# Allegro board RK_NVR_DEMO_RK3568_DDR4P216SD4_V12_20201221YWQ_final.brd (continued)
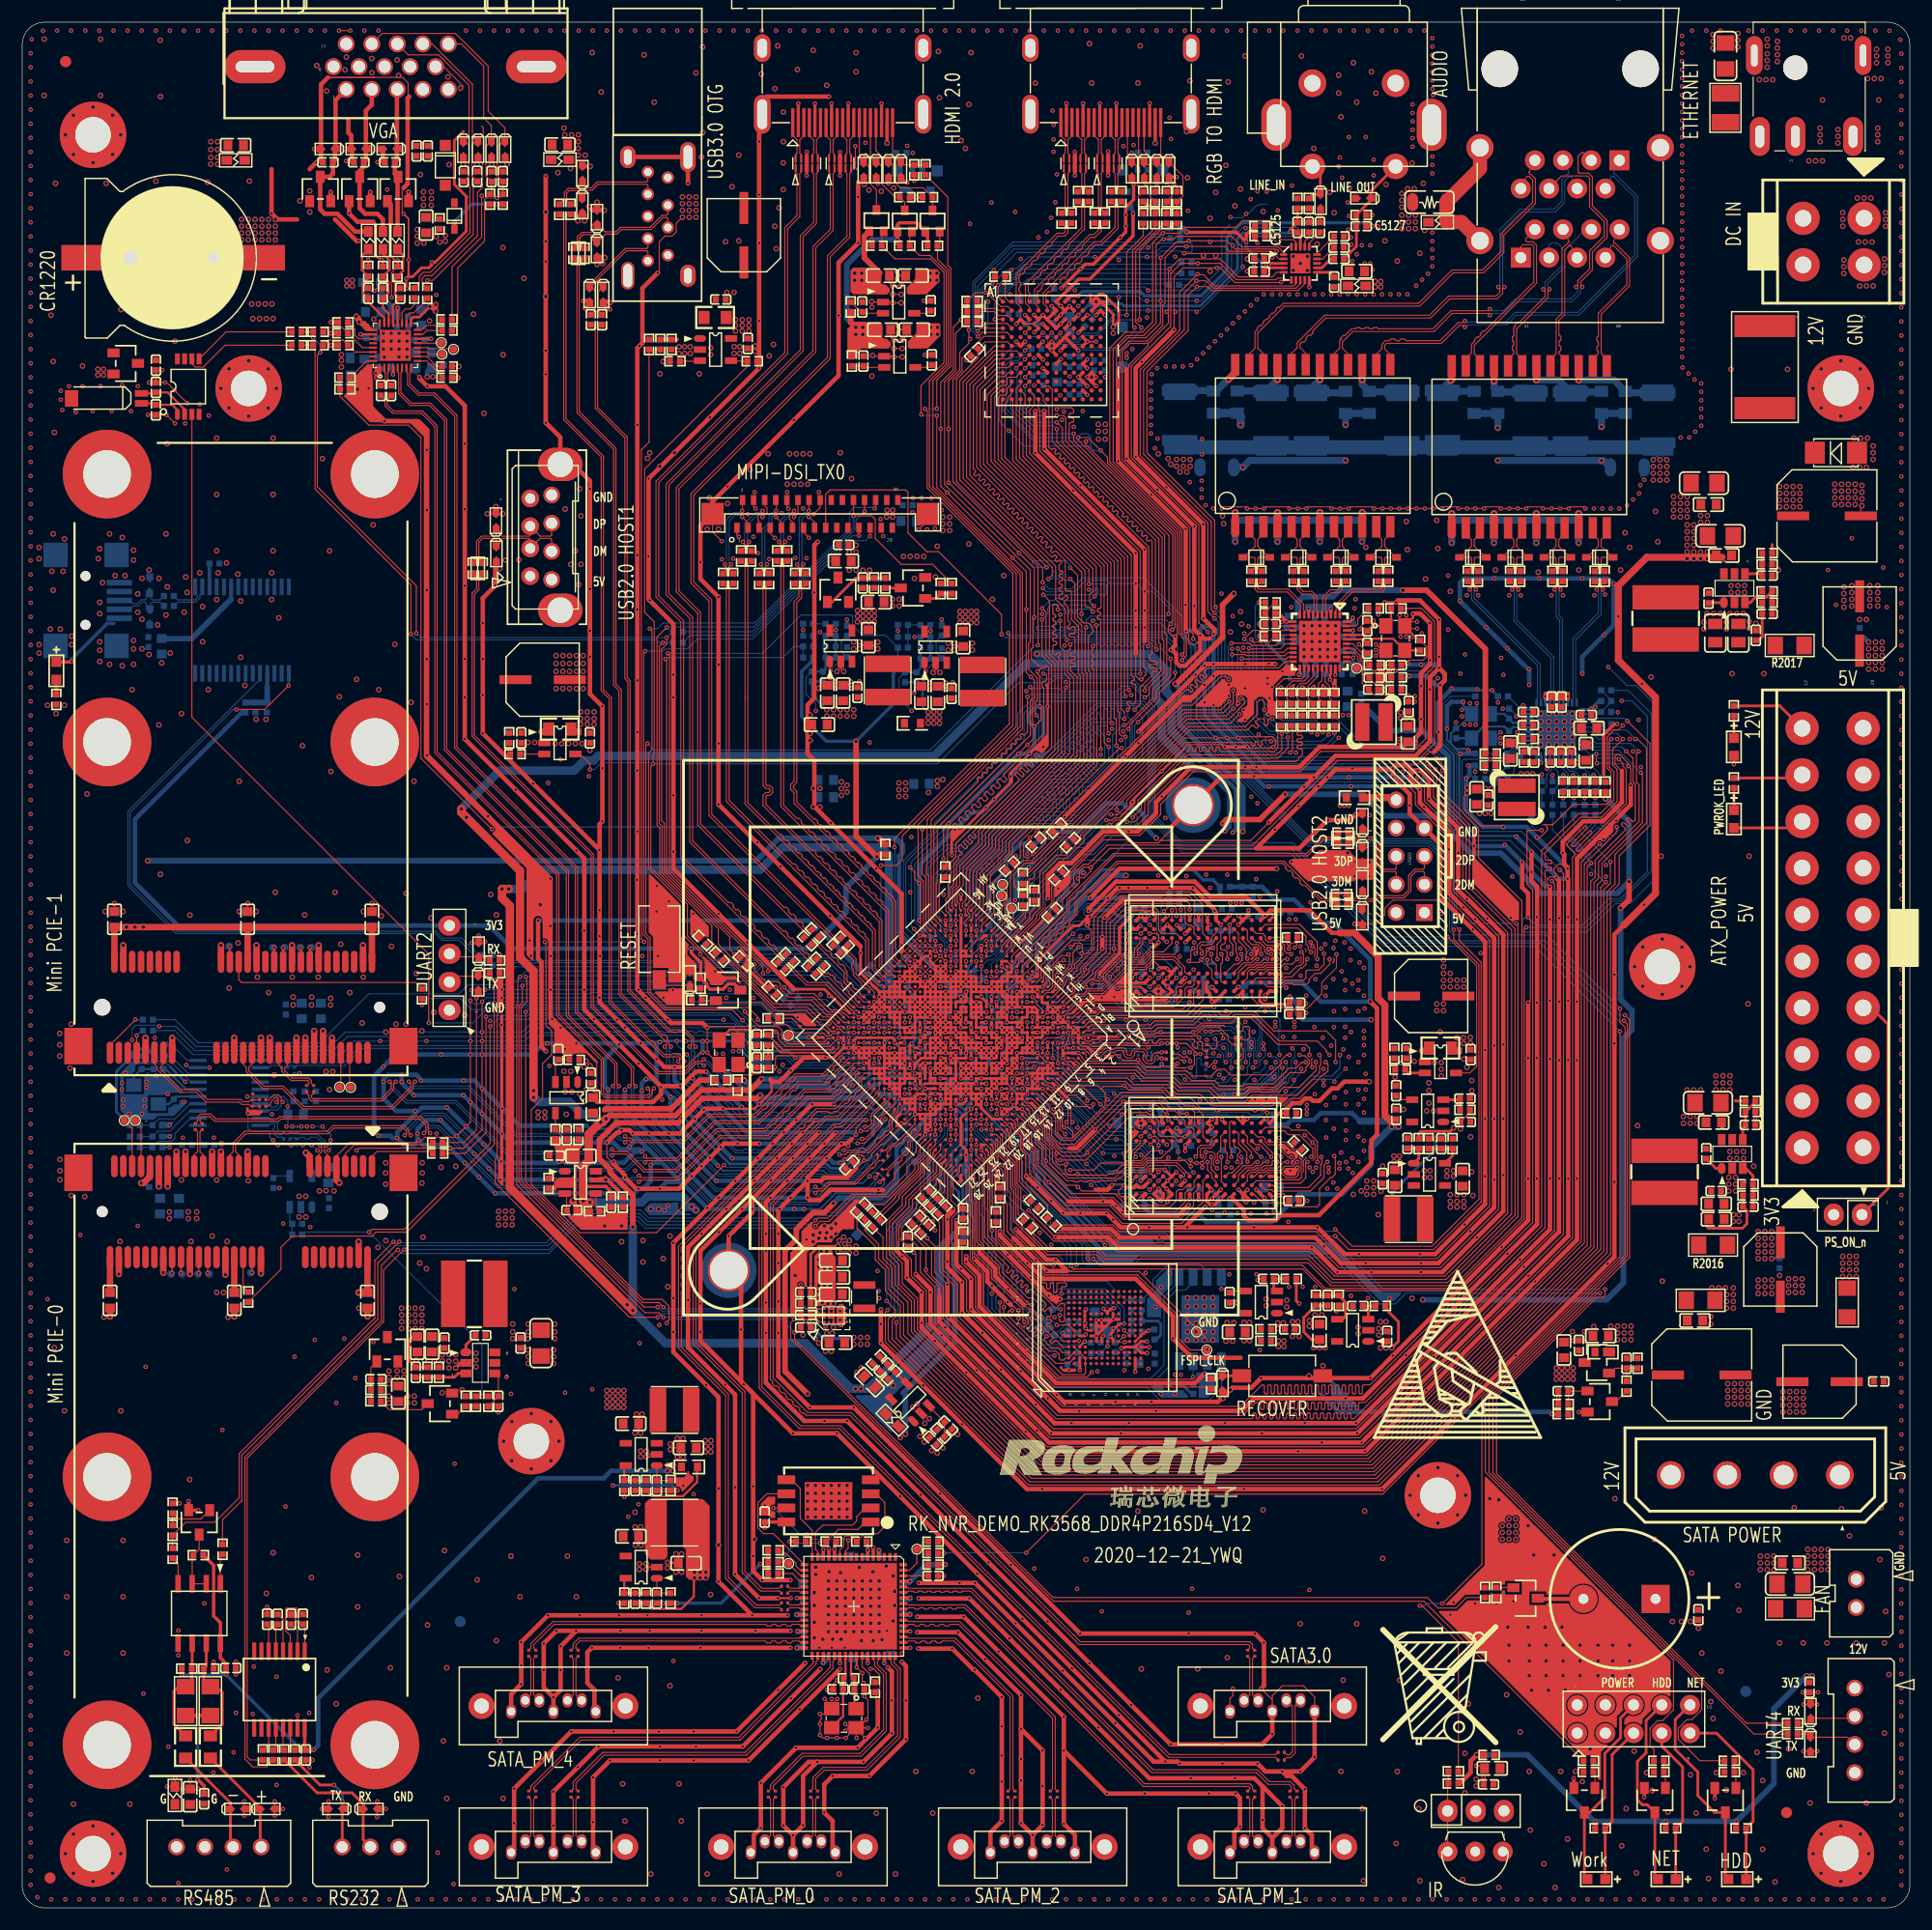
[diagram p0: board, top side]
## Nets (continued)
GND: C1000.2 C1001.2 C1002.2 C1003.2 C1004.2 C1005.2 C1006.2 C1007.2 C1009.2 C1010.2 C1011.2 C1012.2 C1013.2 C1014.2 C1017.2 C1018.2 C1019.2 C1020.2 C1021.2 C1022.2 C1023.2 C1100.2 C1101.2 C1102.2 C1103.2 C1104.2 C1105.2 C1200.2 C1201.2 C1202.2 C1203.2 C1205.2 C1206.2 C1207.2 C1208.2 C1209.2 C1210.2 C1211.2 C1212.2 C1213.2 C1214.2 C1300.2 C1301.2 C1400.2 C1401.2 C1402.2 C1403.2 C1404.2 C1405.2 C1406.2 C1407.2 C1408.2 C1409.2 C1410.2 C1411.2 C1412.2 C1413.2 C1414.2 C1415.2 C1500.2 C1508.2 C1510.2 C1511.2 C1517.2 C1604.2 C1605.2 C1700.2 C1701.2 C1716.2 C1717.2 C1718.2 C1719.2 C1720.2 C1721.2 C1722.2 C1723.2 C1724.2 C1800.2 C1801.2 C1900.2 C2000.2 C2001.2 C2002.2 C2003.2 C2005.2 C2006.2 C2008.2 C2009.2 C2010.2 C2011.2 C2013.2 C2014.2 C2016.2 C2017.2 C2018.2 C2019.2 C2020.2 C2021.2 C2022.2 C2023.2 C2024.2 C2025.2 C2027.2 C2028.2 C2029.2 C2030.2 C2100.2 C2101.2 C2103.2 C2105.2 C2106.2 C2107.2 C2108.2 C2109.2 C2111.2 C2112.2 C2113.2 C2115.2 C2116.2 C2117.2 C2118.2 C2123.2 C2124.2 C2125.2 C2127.2 C2128.2 C2129.2 C2130.2 C2132.2 C2133.2 C2134.2 C2135.2 C2137.2 C2138.2 C2140.2 C2141.2 C2142.2 C2145.2 C2150.2 C2151.2 C2200.2 C2201.2 C2202.2 C2203.2 C2205.2 C2206.2 C2300.2 C2301.2 C2302.2 C2303.2 C2502.2 C2503.2 C2504.2 C2505.2 C2506.2 C2507.2 C2510.2 C2511.2 C2512.2 C3300.2 C3301.2 C3302.2 C3304.2 C3305.2 C3306.2 C3307.2 C3308.2 C3309.2 C3310.2 C3311.2 C3312.2 C3313.2 C3314.2 C3315.2 C3316.2 C3317.2 C3318.2 C3319.2 C3320.2 C3321.2 C3322.2 C3323.2 C3325.2 C3326.2 C3327.2 C3328.2 C3329.2 C3330.2 C3331.2 C3332.2 C3333.2 C3334.2 C3335.2 C3336.2 C3337.2 C3338.2 C3339.2 C3340.2 C3341.2 C3342.2 C3343.2 C3344.2 C3345.2 C4000.2 C4001.2 C4002.2 C4003.2 C4004.2 C4005.2 C4006.2 C4007.2 C4008.2 C4009.2 C4304.2 C4305.2 C5000.2 C5100.2 C5101.2 C5102.2 C5103.2 C5104.2 C5105.2 C5106.2 C5107.2 C5108.2 C5109.2 C5110.2 C5111.2 C5112.2 C5113.2 C5114.2 C5115.2 C5116.2 C5117.2 C5118.2 C5119.2 C5120.2 C5121.2 C5122.2 C5123.2 C5126.2 C5128.2 C5129.2 C5130.2 C5200.2 C5203.2 C5204.2 C5205.2 C5206.2 C5900.2 C5901.2 C5902.2 C5903.2 C5904.2 C5905.2 C5906.2 C5909.2 C5910.2 C5911.2 C5912.2 C5913.2 C5914.2 C5915.2 C5916.2 C5917.2 C5918.2 C5919.2 C5920.2 C5921.2 C5922.2 C5923.2 C5924.2 C5925.2 C5926.2 C5927.2 C5928.2 C5929.2 C6700.2 C6701.2 C6703.2 C6704.2 C6705.2 C6706.2 C6707.2 C6708.2 C6709.2 C6710.2 C6711.2 C6712.2 C6713.2 C6714.2 C6715.2 C6716.2 C6717.2 C6718.2 C6719.2 C6720.2 C6721.2 C6722.2 C6725.2 C6726.2 C6727.2 C6728.2 C6729.2 C6800.2 C6801.2 C6803.2 C6804.2 C6805.2 C6806.2 C6807.2 C6808.2 C6809.2 C6810.2 C6811.2 C6812.2 C6813.2 C6814.2 C6815.2 C6816.2 C6817.2 C6818.2 C6819.2 C6820.2 C6821.2 C6822.2 C6825.2 C6826.2 C6827.2 C6828.2 C7001.2 C7002.2 C7003.2 C7004.2 C7006.2 C7007.2 C7008.2 C7009.2 C7010.2 C8310.2 C8313.2 C8319.2 C8320.2 C8328.2 C8330.2 C8331.2 C8332.2 C8333.2 C8334.2 C8335.2 C8336.2 C8337.2 C8338.2 C8339.2 C8340.2 C8341.2 C8346.2 C8348.2 C8349.2 C8350.2 C8351.2 C8352.2 C8353.2 C8354.2 C8355.2 C8356.2 C8357.2 C8358.2 C8359.2 C8502.2 C8503.2 C8504.2 C8505.2 C8506.2 C8509.2 C8510.2 C8511.2 C8512.2 C8513.2 C8515.2 C8516.2 C8518.2 C8519.2 C8520.2 C8521.2 C8522.2 C8523.2 C8524.2 C8525.2 C8526.2 C8527.2 C8528.2 C8529.2 C8530.2 C8531.2 C8532.2 C8533.2 C9000.2 C9001.2 C9002.2 C9100.2 C9101.2 C9102.2 C9103.2 C9104.2 C9500.2 C9501.2 C9503.2 C9505.2 C9506.1 C9508.1 C9517.2 D1201.2 D1500.2 D2000.1 D2500.2 D2501.2 D2502.2 D2504.2 D2505.2 D2506.2 D2507.2 D2510.2 D2513.2 D2514.2 D2515.2 D2516.2 D5900.2 D5901.2 D5903.2 D5904.2 D5905.2 D5906.2 D5907.2 D5910.1 D5911.1 D5912.1 D6701.2 D6702.2 D6703.2 D6704.2 D6705.2 D6706.2 D6707.2 D6708.2 D6801.2 D6802.2 D6803.2 D6804.2 D6805.2 D6806.2 D6807.2 D6808.2 D7000.2 D7001.2 D9100.2 D9101.2 D9102.2 D9103.2 ED5000.2 ED5001.2 ED5002.2 ED5003.2 ED5100.2 ED5101.2 ED5102.2 ED5103.2 ED9500.2 ED9501.2 ED9502.2 ED9503.2 ED9504.2 ED9505.2 FB5904.2 FB5905.2 FB6701.1 FB9500.2 H9900.1 H9901.1 H9902.1 H9903.1 H9904.1 H9905.1 H9906.1 H9907.1 IR9000.2 J2000.3 J2000.5 J2000.7 J2000.13 J2000.15 J2000.16 J2000.17 J2001.2 J2001.3 J2001.4 J2001.5 J2002.1 J2003.1 J2003.2(COM2) J2004.2 J2005.2 J2005.3(GND2) J2200.2 J2500.4 J2500.7 J2500.10 J2500.11 J2500.12 J2500.13 J2501.4 J2502.7 J2502.8 J2503.4 J2503.5 J2503.6 J5000.2 J5000.5 J5000.8 J5000.11 J5000.17 J5000.20 J5000.21 J5000.22 J5000.23 J5100.2 J5100.5 J5100.8 J5100.11 J5100.17 J5100.20 J5100.21 J5100.22 J5100.23 J5200.1 J5200.4 J5200.7 J5200.10 J5200.13 J5200.16 J5200.27 J5200.31 J5200.32(GND_32) J5900.5 J5900.6 J5900.7 J5900.8 J5900.10 J7001.1 J7001.4 J8300.1 J8300.4 J8300.7 J8300.8 J8300.9 J8301.1 J8301.4 J8301.7 J8301.8 J8301.9 J8302.1 J8302.4 J8302.7 J8302.8 J8302.9 J8303.1 J8303.4 J8303.7 J8303.8 J8303.9 J8304.1 J8304.4 J8304.7 J8304.8 J8304.9 J8305.1 J8305.4 J8305.7 J8305.8 J8305.9 J8500.4 J8500.9 J8500.15 J8500.18 J8500.21 J8500.26 J8500.27 J8500.29 J8500.34 J8500.35 J8500.37 J8500.40 J8500.43 J8500.50 J8500.53 J8500.54 J8500.55 J8500.56 J8500.57 J8500.58 J8501.4 J8501.9 J8501.15 J8501.18 J8501.21 J8501.26 J8501.27 J8501.29 J8501.34 J8501.35 J8501.37 J8501.40 J8501.43 J8501.50 J8501.53 J8501.54 J8501.55 J8501.56 J8501.57 J8501.58 J9000.2 J9100.1 J9101.5 J9101.6 J9101.7 J9101.8 J9101.9 J9500.4 J9502.1 J9900.1 J9900.2 LED2001.2(CATHODE) Q2101.2(EMITTER) Q5201.2(EMITTER) Q7000.2(EMITTER) Q9000.2(EMITTER) Q9001.2(EMITTER) Q9002.2(EMITTER) Q9500.2(EMITTER) Q9501.2(EMITTER) R1100.2 R1406.2 R1713.2 R2006.2 R2007.2 R2011.2 R2012.2 R2104.2 R2105.2 R2118.2 R2119.2 R2120.2 R2121.2 R2127.2 R2132.2 R2133.2 R2204.2 R2303.2 R2501.2 R2510.2 R2511.2 R2512.2 R2516.2 R2518.2 R2524.2 R2525.2 R2533.2 R3312.2 R3313.2 R3314.2 R3315.2 R3316.2 R3317.2 R3318.2 R3319.2 R3323.2 R4006.2 R5008.2 R5118.2 R5119.2 R5204.2 R5905.2 R5907.2 R5908.2 R5909.2 R5916.2 R6701.2 R6711.2 R6717.2 R6719.2 R6721.2 R6722.2 R6724.2 R6726.2 R6727.2 R6728.2 R6730.2 R6733.2 R6804.2 R6813.2 R6817.2 R6819.2 R6821.2 R6822.2 R6825.2 R6827.2 R6828.2 R6830.2 R6833.2 R7001.2 R7003.2 R7005.2 R7006.2 R8302.1 R8303.2 R8311.2 R8314.2 R8507.2 R8509.2 R8511.2 R8515.2 R8518.2 R8519.2 R8522.2 R8523.2 R8527.2 R8528.2 R8529.2 R8533.2 R9009.2 R9010.2 R9011.2 R9103.2 R9508.2 R9510.2 R9608.2 SW1201.2 SW1500.2 TP1302.1 TP1304.1 U1000.A1 U1000.A3 U1000.A6 U1000.A10 U1000.A14 U1000.A18 U1000.A28 U1000.AA4 U1000.AA9 U1000.AA12 U1000.AA14 U1000.AA15 U1000.AA17 U1000.AA23 U1000.AA24 U1000.AA26 U1000.AB2 U1000.AB6 U1000.AB11 U1000.AB12 U1000.AB14 U1000.AB15 U1000.AB17 U1000.AB24 U1000.AC9 U1000.AC11 U1000.AC12 U1000.AC15 U1000.AC18 U1000.AC25 U1000.AC26 U1000.AD3 U1000.AD26 U1000.AE6 U1000.AE14 U1000.AE17 U1000.AE20 U1000.AE21 U1000.AE27 U1000.AE28 U1000.AF3 U1000.AF9 U1000.AF11 U1000.AF12 U1000.AF14 U1000.AF15 U1000.AF17 U1000.AF18 U1000.AF20 U1000.AF21 U1000.AF26 U1000.AG5 U1000.AG18 U1000.AH1 U1000.AH8 U1000.AH18 U1000.AH23 U1000.AH28 U1000.B5 U1000.B9 U1000.B12 U1000.B16 U1000.B23 U1000.B26 U1000.C3 U1000.C6 U1000.C8 U1000.C9 U1000.C11 U1000.C12 U1000.C14 U1000.C15 U1000.C17 U1000.C18 U1000.C25 U1000.D2 U1000.D3 U1000.D11 U1000.D28 U1000.E3 U1000.E7 U1000.F1 U1000.F3 U1000.F9 U1000.F12 U1000.F14 U1000.F15 U1000.F17 U1000.G5 U1000.G6 U1000.G8 U1000.G9 U1000.G11 U1000.G12 U1000.G14 U1000.G15 U1000.G17 U1000.G18 U1000.G24 U1000.H2 U1000.H3 U1000.H6 U1000.J3 U1000.J5 U1000.J8 U1000.J17 U1000.J18 U1000.J20 U1000.J22 U1000.J26 U1000.J27 U1000.K1 U1000.K11 U1000.K12 U1000.K13 U1000.K14 U1000.K19 U1000.L3 U1000.L5 U1000.L8 U1000.L11 U1000.L13 U1000.L14 U1000.L19 U1000.L20 U1000.L21 U1000.L24 U1000.L26 U1000.M2 U1000.M3 U1000.M6 U1000.M8 U1000.M11 U1000.M13 U1000.M14 U1000.M16 U1000.M18 U1000.M21 U1000.M26 U1000.N1 U1000.N11 U1000.N12 U1000.N14 U1000.N15 U1000.N17 U1000.N18 U1000.N28 U1000.P3 U1000.P6 U1000.P12 U1000.P14 U1000.P15 U1000.P17 U1000.P21 U1000.P26 U1000.R3 U1000.R6 U1000.R10 U1000.R11 U1000.R14 U1000.R15 U1000.R17 U1000.R18 U1000.R19 U1000.R23 U1000.R26 U1000.T10 U1000.T11 U1000.T14 U1000.T15 U1000.T17 U1000.T18 U1000.T19 U1000.U1 U1000.U6 U1000.U7 U1000.U8 U1000.U10 U1000.U14 U1000.U15 U1000.U16 U1000.U17 U1000.U18 U1000.U23 U1000.U26 U1000.V3 U1000.V8 U1000.V9 U1000.V13 U1000.V14 U1000.V15 U1000.V16 U1000.V20 U1000.V22 U1000.V23 U1000.V26 U1000.W10 U1000.W11 U1000.W12 U1000.W13 U1000.W14 U1000.W15 U1000.W17 U1000.Y8 U1000.Y9 U1000.Y11 U1000.Y12 U1000.Y14 U1000.Y15 U1000.Y18 U1000.Y23 U1000.Y24 U1000.Y26 U1201.1 U2000.2 U2001.2 U2100.2 U2101.2 U2102.2 U2103.2 U2104.B2 U2104.B3 U2104.B4 U2104.C1 U2104.C2 U2104.C3 U2104.C4 U2105.2 U2106.2 U2200.4(VSS) U2201.2 U2300.2 U2500.2 U2501.2 U2502.2 U3300.A2 U3300.A8 U3300.B2 U3300.C9 U3300.D2 U3300.D8 U3300.E1 U3300.E3 U3300.E8 U3300.F1 U3300.G8 U3300.H1 U3300.H9 U3300.K1 U3300.K9 U3300.N1 U3300.N9 U3300.T1 U3300.T3 U3301.A2 U3301.A8 U3301.B2 U3301.C9 U3301.D2 U3301.D8 U3301.E1 U3301.E3 U3301.E8 U3301.F1 U3301.G8 U3301.H1 U3301.H9 U3301.K1 U3301.K9 U3301.N1 U3301.N9 U3301.T1 U3301.T3 U3302.2 U4000.A6 U4000.C4 U4000.E7 U4000.G5 U4000.H10 U4000.J5 U4000.K8 U4000.N2 U4000.N5 U4000.P4 U4000.P6 U4302.4 U4302.9 U5000.3 U5000.8 U5001.3 U5001.8 U5100.B7 U5100.B12 U5100.C3 U5100.C5 U5100.C6 U5100.C8 U5100.C10 U5100.D5 U5100.D7 U5100.E8 U5100.F3 U5100.F6 U5100.F7 U5100.F9 U5100.G7 U5100.J11 U5100.K11 U5100.L10 U5101.2 U5102.3 U5102.8 U5103.2 U5104.3 U5104.8 U5900.24 U5900.33 U6700.41 U6800.41 U7000.5 U7000.10 U7000.21 U8300.5 U8300.13 U8300.41 U8300.65 U8301.4 U8301.9 U8302.2 U8303.2 U8500.2 U8501.9 U8501.16 U8502.2 U9100.7 U9100.18 U9100.21 U9100.25 U9100.26 U9500.5 U9501.15 Y1200.2 Y1200.4 Y2200.3 Y6700.2 Y6700.4 Y6800.2 Y6800.4 Y8300.2 Y8300.4 Y8500.2 Y8500.4
VCC1V2_RK61X: C5101.1 C5102.1 C5105.1 C5106.1 C5116.1 C5117.1 C5118.1 C5120.1 C5121.1 U5100.D6 U5100.D10 U5100.F5 U5100.F8 U5100.H7 U5100.J10 U5100.K10 U5103.5(OUT)
VCC3V3_ATX: C2008.1 C2023.1 C2101.1 C2103.1 C2109.1 C2113.1 C2125.1 C2130.1 C2131.1 C2135.1 C2138.1 C2203.1 C3322.1 C5200.1 C5201.1 C9516.1 C9517.1 J2000.1 J2000.2 J2000.11 Q2100.2(SOURCE) Q5200.2(SOURCE) Q9502.2(SOURCE) R1205.2 R2016.2 R2101.1 R2102.1 R2106.1 R2108.1 R2122.1 R2123.1 R2128.1 R2130.1 R2136.1 R2202.1 R3325.1 R5201.1 R9609.1 U2100.1 U2101.4(VIN) U2102.4(VIN) U2103.4(VIN) U2104.D1 U2104.D2 U2104.E1 U2104.E2 U2105.1 U2106.1 U2201.1 U3302.1
VCC3V3_DCIN: C2007.1 C2009.1 C2010.1 C2022.1 L2000.2 R2005.1 R2016.1
VCC3V3_FT232_DEBUG: C9104.1 U9100.17(VO-3V3)
VCC3V3_LCD0: C5205.1 C5206.1 J5200.19 Q5200.3
VCC3V3_PCIE: C8517.1 C8519.1 C8520.1 C8521.1 C8522.1 C8523.1 C8524.1 C8525.1 C8526.1 C8527.1 C8528.1 C8529.1 C8530.1 C8531.1 C8532.1 C8533.1 J8500.2 J8500.24 J8500.39 J8500.41 J8500.52 J8501.2 J8501.24 J8501.39 J8501.41 J8501.52 L8500.2 Q9502.3 R8532.1
VCC3V3_PHY0: C6710.1 C6711.1 C6715.1 C6717.1 C6718.1 R6718.1 R6720.1 R6736.2 R6738.1 U6700.11 U6700.29 U6700.40
VCC3V3_PHY1: C6811.1 C6812.1 C6813.1 C6817.1 C6818.1 R6818.1 R6820.1 R6836.2 R6838.1 U6800.11 U6800.29 U6800.40
VCC3V3_PI6C: C8503.1 C8505.1 C8506.1 C8511.1 R8506.1 R8508.1 R8510.1 R8512.1 R8513.1 R8530.1 U8500.5(OUT) U8501.1
VCC3V3_PMUIO: C1203.1 C1210.1 J9100.4 R1203.1 R1205.1 R1206.1 R1207.1 R1208.1 R1209.1 R1210.1 R2110.1 R2112.1 R2301.1 R9102.1 U1000.W19 U1000.Y20 U1201.3(VCC)
VCC3V3_RK61X: C5103.1 C5104.1 C5107.1 C5108.1 C5110.1 C5111.1 C5112.1 C5113.1 C5129.1 C5130.1 D5100.1 D5103.1 U5100.A7 U5100.B8 U5100.B9 U5100.C4 U5100.C7 U5100.G5 U5100.H10 U5100.J6 U5101.5(OUT)
VCC3V3_SATAPM: C8313.1 C8329.1 C8330.1 C8331.1 C8332.1 C8333.1 C8334.1 C8335.1 C8336.1 C8337.1 C8338.1 C8339.1 C8340.1 L8300.2 R8300.1 R8305.1 R8306.1 R8307.1 R8308.2 R8310.1 R8312.1 R8320.1 R8321.1 R8322.1 U8300.6 U8300.12 U8300.26 U8300.32 U8300.38 U8300.43 U8300.49 U8300.55 U8300.61 U8301.8
VCC3V3_VGA: C5900.1 C5918.1 C5921.1 R5900.1 R5901.1 R5902.1 R5910.1 R5919.2 U5900.14 U5900.26
VCC5V0_ATX: C2016.1 C2025.1 C2502.1 C2505.1 C2510.1 C5109.1 C5203.1 C5204.1 C8328.1 C8346.1 C8502.1 D5000.1 D5001.1 D5101.1 D5102.1 J2000.4 J2000.6 J2000.19 J2000.20 J5200.28 J5200.29 J5200.30 Q5002.1 R2017.2 R2018.1 R2508.1 R2514.1 R2523.1 R5004.1 R5124.1 R5917.1 R8309.1 U2500.5 U2501.5 U2502.5 U5101.1 U8302.4(VIN) U8303.4(VIN) U8500.1
VCC5V0_DCIN: C2015.1 C2017.1 C2018.1 C2024.1 L2001.2 R2010.1 R2017.1
VCC5V0_USB20_HOST1: C2506.1 C2507.1 J2501.1 J2503.1 R2514.2 R2516.1 U2501.1(VOUT)
VCC5V0_USB20_HOST2: C2511.1 C2512.1 J2502.1 J2502.2 R2523.2 R2524.1 U2502.1(VOUT)
VCC5V0_USB30_OTG0: C2503.1 C2504.1 J2500.1(VBUS) R2500.2 R2508.2 R2510.1 U2500.1(VOUT)
VCC5V0_VGA: C5909.1 C5910.1 C5917.1 D5902.1 D5908.1 D5910.2 D5911.2 D5912.2 R5917.2 U5900.17
VCC5V0_VGA_CON: C5928.1 C5929.1 D5908.2(K) J5900.9
VCC5V_FT232_DEBUG: C9102.1 C9103.1 J9101.1 LED9100.1 U9100.20
VCC5V_HDMI14_TX: C5126.1 D5102.2(K) J5100.18 R5124.2
VCC5V_HDMI_TX: C5000.1 D5001.2(K) J5000.18 R5004.2
VCC12V_ATX: C2000.1 C2001.1 C2002.1 C2005.1 C2006.1 C2013.1 C2014.1 C2020.1 C2021.1 C8515.1 C8516.1 D2000.2(K) F2000.2 F2001.1 J2000.10 R2004.1 R2009.1 R2019.1 R2020.1 U2000.5(VIN) U2001.5(VIN) U8502.5(VIN)
VCC12VDC: F2000.1 J2001.1 J2003.3 J2003.4 R2001.1
VCC25_DDR: C3323.1 C3325.1 C3326.1 C3327.1 C3328.1 U3300.B1 U3300.R9 U3301.B1 U3301.R9 U3302.5(OUT)
VCC_1V8: C1510.1 C1511.1 C1604.1 C1605.1 C2136.1 C2137.1 FB2100.1 R2126.1 R2129.1 R2302.1 R6732.1 R6832.1 U1000.H20 U1000.J21 U1000.R9 U1000.U9 U2105.5(OUT)
VCC_3V3: BP7000.1 C1301.1 C1401.1 C1404.1 C1517.1 C1800.1 C1801.1 C1900.1 C2132.1 C2133.1 C2300.1 C4006.1 C4007.1 C4008.1 C5119.1 C5920.1 C7006.1 C7007.1 C7010.1 C9500.1 C9501.1 C9505.1 D2200.2 FB5903.1 FB5906.1 FB7000.2 J9500.1 Q2100.3 Q5000.1 Q5001.1 R1206.2 R1905.1 R1906.1 R2136.2 R2300.1 R2304.1 R5000.1 R5002.1 R5006.1 R5125.1 R5126.1 R5919.1 R6736.1 R6836.1 R7002.1 R8308.1 R9000.1 R9002.1 R9003.1 R9004.1 R9005.1 R9502.1 R9503.1 U1000.H17 U1000.L22 U1000.M23 U1000.P10 U1000.V10 U1000.V11 U1000.V12 U2300.1 U4000.E6 U4000.F5 U4000.J10 U4000.K9 U5103.1 U7000.3 U7000.4 U9500.8(VCC) U9501.16(VCC)
VCC_DDR: C1100.1 C1101.1 C1102.1 C1103.1 C1104.1 C1105.1 C2104.1 C2106.1 C2107.1 C3303.1 C3307.1 C3308.1 C3309.1 C3310.1 C3311.1 C3312.1 C3313.1 C3314.1 C3315.1 C3316.1 C3317.1 C3318.1 C3319.1 C3320.1 C3321.1 C3331.1 C3332.1 C3333.1 C3334.1 C3335.1 C3336.1 C3337.1 C3338.1 C3339.1 C3340.1 C3341.1 C3342.1 C3343.1 C3344.1 C3345.1 L2100.2 R2103.1 R3321.1 U1000.H9 U1000.H11 U1000.H12 U1000.H14 U1000.H15 U1000.J9 U1000.J11 U1000.J12 U1000.J14 U1000.K10 U1000.L9 U1000.L10 U1000.M9 U1000.M10 U3300.A1 U3300.A9 U3300.B3 U3300.B9 U3300.C1 U3300.D1 U3300.D9 U3300.F2 U3300.F8 U3300.G1 U3300.G7 U3300.G9 U3300.J1 U3300.J2 U3300.J8 U3300.J9 U3300.L1 U3300.L9 U3300.R1 U3300.T9 U3301.A1 U3301.A9 U3301.B3 U3301.B9 U3301.C1 U3301.D1 U3301.D9 U3301.F2 U3301.F8 U3301.G1 U3301.G7 U3301.G9 U3301.J1 U3301.J2 U3301.J8 U3301.J9 U3301.L1 U3301.L9 U3301.R1 U3301.T9
VCC_IR: C9001.1 C9002.1 IR9000.3(VCC) J9000.3 R9002.2
VCC_RTC: C2202.1 D2200.3(K) U2200.8
VCCA3V3_CODEC: C7008.1 C7009.1 FB7000.1 U7000.11
VCCA3V3_RTD: C5926.1 C5927.1 FB5906.2 U5900.1
VCCA3V3_RTD_DAC: C5922.1 C5923.1 FB5903.2 U5900.20
VCCA_1V8: C1206.1 C1207.1 C1211.1 C1212.1 C1415.1 C1508.1 C1700.1 C1717.1 C1719.1 C1721.1 C1724.1 C2139.1 C2140.1 FB2100.2 R1402.2 R1403.2 R1410.2 R1500.1 R2131.1 U1000.H22 U1000.M22 U1000.N10 U1000.W18 U1000.Y17 U1000.Y21 U2106.5(OUT)
VCCIO_FLASH: C1300.1 C2301.1 C4001.1 C4002.1 C4003.1 C4004.1 C4005.1 C4304.1 C4305.1 R2300.2 R2302.2 R4003.1 R4004.1 R4005.1 R4311.1 R4312.1 U1000.H18 U2300.5(OUT) U4000.C6 U4000.M4 U4000.N4 U4000.P3 U4000.P5 U4302.8
VCCIO_PHY0: C6707.1 C6708.1 C6709.1 R6725.1 R6729.1 R6731.1 R6732.2 R6734.1 R6737.1 U6700.28
VCCIO_PHY1: C6807.1 C6808.1 C6809.1 R6823.1 R6826.1 R6829.1 R6831.1 R6832.2 R6834.1 R6837.1 U6800.28
VDD1V2_RTD_VCCK: C5901.1 C5902.1 C5913.1 U5900.4 U5900.25
VDD1V2_SATAPM: C8347.1 C8348.1 C8349.1 C8350.1 C8351.1 C8352.1 C8353.1 C8354.1 C8355.1 C8356.1 C8357.1 C8358.1 L8301.2 R8313.1 U8300.4 U8300.14 U8300.23 U8300.29 U8300.35 U8300.46 U8300.52 U8300.58
VDD10_PHY0: C6712.1 C6713.1 C6714.1 C6719.1 C6720.1 C6721.1 L6700.2 U6700.3 U6700.8 U6700.21 U6700.38
VDD10_PHY1: C6810.1 C6814.1 C6815.1 C6819.1 C6820.1 C6821.1 L6800.2 U6800.3 U6800.8 U6800.21 U6800.38
VDD_CPU: C1000.1 C1001.1 C1002.1 C1003.1 C1004.1 C1021.1 C2126.1 C2127.1 C2128.1 C2129.1 L2103.2 R2124.1 U1000.J15 U1000.K15 U1000.K16 U1000.K17 U1000.K18 U1000.L15 U1000.L16 U1000.L17 U1000.L18 U1000.M17
VDD_CPU_COM: C2126.2 R2124.2 U1000.M15 U2104.A4
VDD_LOGIC: C1005.1 C1006.1 C1007.1 C1009.1 C1010.1 C1011.1 C1023.1 C2110.1 C2110.2 C2111.1 C2112.1 C2120.1 L2101.2 R2107.1 R2107.2 R2111.1 R2135.1 U1000.L12 U1000.M12 U1000.N13 U1000.N16 U1000.P13 U1000.P16 U1000.R12 U1000.R16 U1000.T12 U1000.T16
VDDA_0V9: C1205.1 C1208.1 C1209.1 C1213.1 C1214.1 C1701.1 C1718.1 C1720.1 C1722.1 C1723.1 C2100.1 C2102.1 R1400.2 R1401.2 R1407.2 R2100.1 U1000.M20 U1000.P11 U1000.V17 U1000.V18 U1000.V19 U1000.V21 U1000.W16 U2100.5(OUT)
ARMJTAG_TCK: TP1305.1 U1000.H26
ARMJTAG_TMS: TP1306.1 U1000.J23
BEEP_EN_H_GPIO0_D6: R7004.1 U1000.AC24
CLK0N: R8516.1 U8501.19
CLK0P: R8517.1 U8501.20
CLK1N: R8521.1 U8501.17
CLK1P: R8520.1 U8501.18
CLK3N: R8526.1 U8501.11
CLK3P: R8525.1 U8501.12
CLK_0N: J8500.11 R8516.2 R8518.1
CLK_0P: J8500.13 R8517.2 R8519.1
CLK_1N: J8501.11 R8521.2 R8522.1
CLK_1P: J8501.13 R8520.2 R8523.1
DDR4_A0: U1000.B6 U3300.P3 U3301.P3
DDR4_A1: U1000.F5 U3300.P7 U3301.P7
DDR4_A2: U1000.B1 U3300.R3 U3301.R3
DDR4_A3: U1000.F4 U3300.N7 U3301.N7
DDR4_A4: U1000.D9 U3300.N3 U3301.N3
DDR4_A5: U1000.B7 U3300.P8 U3301.P8
DDR4_A6: U1000.A7 U3300.P2 U3301.P2
DDR4_A7: U1000.A8 U3300.R8 U3301.R8
DDR4_A8: U1000.C1 U3300.R2 U3301.R2
DDR4_A9: U1000.A5 U3300.R7 U3301.R7
DDR4_A10: U1000.D6 U3300.M3 U3301.M3
DDR4_A11: U1000.C2 U3300.T2 U3301.T2
DDR4_A12: U1000.C4 U3300.M7 U3301.M7
DDR4_A13: U1000.B8 U3300.T8 U3301.T8
DDR4_A14_WEN: U1000.C5 U3300.L2 U3301.L2
DDR4_A15_CASN: U1000.E4 U3300.M8 U3301.M8
DDR4_A16_RASN: U1000.D5 U3300.L8 U3301.L8
DDR4_ACTN: U1000.E6 U3300.L3 U3301.L3
DDR4_BA0: U1000.E11 U3300.N2 U3301.N2
DDR4_BA1: U1000.E9 U3300.N8 U3301.N8
DDR4_BG0: U1000.F8 U3300.M2 U3301.M2
DDR4_BG1: R3320.2 U1000.F7
DDR4_CKE: R3306.2 R3307.1 U1000.B3
DDR4_CKE_A: R3306.1 U3300.K2
DDR4_CKE_B: R3307.2 U3301.K2
DDR4_CLKN: R3301.1 R3304.2 R3305.1 U1000.A4
DDR4_CLKN_A: R3304.1 U3300.K8
DDR4_CLKN_B: R3305.2 U3301.K8
DDR4_CLKP: R3300.1 R3302.2 R3303.1 U1000.B4
DDR4_CLKP_A: R3302.1 U3300.K7
DDR4_CLKP_B: R3303.2 U3301.K7
DDR4_CS0N: R3308.2 R3309.1 U1000.A2
DDR4_CS0N_A: R3308.1 U3300.L7
DDR4_CS0N_B: R3309.2 U3301.L7
DDR4_DML_A: U1000.H5 U3300.E7
DDR4_DML_B: U1000.E17 U3301.E7
DDR4_DMU_A: U1000.J4 U3300.E2
DDR4_DMU_B: U1000.D14 U3301.E2
DDR4_DQL0_A: U1000.F2 U3300.G2
DDR4_DQL0_B: U1000.A16 U3301.G2
DDR4_DQL1_A: U1000.H4 U3300.F7
DDR4_DQL1_B: U1000.D17 U3301.F7
DDR4_DQL2_A: U1000.E1 U3300.H3
DDR4_DQL2_B: U1000.B17 U3301.H3
DDR4_DQL3_A: U1000.H1 U3300.H7
DDR4_DQL3_B: U1000.B14 U3301.H7
DDR4_DQL4_A: U1000.E2 U3300.H2
DDR4_DQL4_B: U1000.A17 U3301.H2
DDR4_DQL5_A: U1000.J2 U3300.H8
DDR4_DQL5_B: U1000.A13 U3301.H8
DDR4_DQL6_A: U1000.D1 U3300.J3
DDR4_DQL6_B: U1000.B18 U3301.J3
DDR4_DQL7_A: U1000.J1 U3300.J7
DDR4_DQL7_B: U1000.B13 U3301.J7
DDR4_DQSL_N_A: U1000.G2 U3300.F3
DDR4_DQSL_N_B: U1000.A15 U3301.F3
DDR4_DQSL_P_A: U1000.G1 U3300.G3
DDR4_DQSL_P_B: U1000.B15 U3301.G3
DDR4_DQSU_N_A: U1000.L1 U3300.A7
DDR4_DQSU_N_B: U1000.B11 U3301.A7
DDR4_DQSU_P_A: U1000.L2 U3300.B7
DDR4_DQSU_P_B: U1000.A11 U3301.B7
DDR4_DQU0_A: U1000.L4 U3300.A3
DDR4_DQU0_B: U1000.A12 U3301.A3
DDR4_DQU1_A: U1000.N2 U3300.B8
DDR4_DQU1_B: U1000.E12 U3301.B8
DDR4_DQU2_A: U1000.K2 U3300.C3
DDR4_DQU2_B: U1000.E14 U3301.C3
DDR4_DQU3_A: U1000.M1 U3300.C7
DDR4_DQU3_B: U1000.D12 U3301.C7
DDR4_DQU4_A: U1000.J6 U3300.C2
DDR4_DQU4_B: U1000.E15 U3301.C2
DDR4_DQU5_A: U1000.L6 U3300.C8
DDR4_DQU5_B: U1000.A9 U3301.C8
DDR4_DQU6_A: U1000.J7 U3300.D3
DDR4_DQU6_B: U1000.D15 U3301.D3
DDR4_DQU7_A: U1000.L7 U3300.D7
DDR4_DQU7_B: U1000.B10 U3301.D7
DDR4_ODT0: R3310.2 R3311.1 U1000.E8
DDR4_ODT0_A: R3310.1 U3300.K3
DDR4_ODT0_B: R3311.2 U3301.K3
DDR4_RESETN: C3301.1 C3302.1 U1000.F11 U3300.P1 U3301.P1
DDR_RZQ: R1100.1 U1000.H7
DDRPHY_VREFOUT: C3303.2 C3304.1 R3322.2 U1000.P8
DEBUG0_USB_DM: D9103.1 J9101.2 R9104.2
DEBUG0_USB_DP: D9102.1 J9101.3 R9105.2
DEBUG0_USBDM: R9104.1 U9100.16
DEBUG0_USBDP: R9105.1 U9100.15
DP_TX_AUXN: C5908.2 U5900.3
DP_TX_AUXP: C5907.2 U5900.2
EDP_HPDIN_M0: R5906.1 R5907.1 U1000.AH7
EDP_TX_AUXN: C5908.1 U1000.M25
EDP_TX_AUXP: C5907.1 U1000.L25
EDP_TX_D0N: C1712.2 U5900.6
EDP_TX_D0P: C1708.2 U5900.5
EDP_TX_D1N: C1710.2 U5900.8
EDP_TX_D1P: C1709.2 U5900.7
EDP_TXD0N: C1712.1 U1000.K27
EDP_TXD0P: C1708.1 U1000.J28
EDP_TXD1N: C1710.1 U1000.L27
EDP_TXD1P: C1709.1 U1000.K28
EMMC_CLKOUT: R1310.2 U4000.M6
EMMC_CLKOUT_SOC: R1310.1 U1000.A23
EMMC_CMD: R4004.2 U1000.B22 U4000.M5
EMMC_D0: R4003.2 TP1301.1 U1000.A24 U4000.A3
EMMC_D1: U1000.C21 U4000.A4
EMMC_D2: U1000.B24 U4000.A5
EMMC_D3: U1000.D21 U4000.B2
EMMC_D4: U1000.A25 U4000.B3
EMMC_D5: U1000.E21 U4000.B4
EMMC_D6: U1000.E22 U4000.B5
EMMC_D7: U1000.B25 U4000.B6
EMMC_DATA_STROBE: R4000.2 R4006.1 U4000.H5
EMMC_DATA_STROBE_SOC: R4000.1 U1000.A26
EMMC_RSTN: C4000.1 R4002.2 R4005.2 U4000.K5
EMMC_RSTN/FSPI_D2: R4002.1 R4311.2 U1000.F20 U4302.3(W\P\(D2))
ES_CE: R7002.2 R7003.1 U7000.20
ETH0_REFCLKO_25M: R1515.2 R6708.1
ETH1_REFCLKO_25M_M1: R1660.2 R6808.1
ETHERNET_LED+: J9001.9 LED9001.1 R9004.2
ETHERNET_LED-: J9001.10 LED9001.2(CATHODE) Q9001.3
ETHERNET_LED_EN_H_GPIO4_C6: R9007.1 U1000.AE8
FLASH_VOL_SEL: R2301.2 R2303.1 U1000.AG25
FSPI_CLK: R1311.2 TP1303.1 U4302.6
FSPI_CLK_SOC: R1311.1 U1000.A22
FSPI_CS0N: U1000.C23 U4302.1
FSPI_D0: U1000.C24 U4302.5
FSPI_D1: U1000.D23 U4302.2
FSPI_D3: R4312.2 U1000.A27 U4302.7
GMAC0_MCLKINOUT: C6703.1 R1516.2 R6710.1 R6711.1
GMAC0_MDC: U1000.H24 U6700.13
GMAC0_MDIO: R6737.2 U1000.H23 U6700.14
GMAC0_RSTN_GPIO1_B0: R6739.1 U1000.D20
GMAC0_RXCLK: C6722.1 R6744.2 U1000.B28
GMAC0_RXD0: R6740.2 U1000.F27
GMAC0_RXD1: R6741.2 U1000.H25
GMAC0_RXD2: R6742.2 U1000.E27
GMAC0_RXD3: R6743.2 U1000.E28
GMAC0_RXDV_CRS: R6745.2 U1000.F24
GMAC0_TXCLK: R1510.2 U6700.20
GMAC0_TXD0: R1511.2 U6700.18
GMAC0_TXD1: R1512.2 U6700.17
GMAC0_TXD2: R1508.2 U6700.16
GMAC0_TXD3: R1509.2 U6700.15
GMAC0_TXEN: R1513.2 U6700.19
GMAC1_MCLKINOUT_M1: C6803.1 R1667.2 R6810.1 R6813.1
GMAC1_MDC_M1: U1000.U5 U6800.13
GMAC1_MDIO_M1: R6837.2 U1000.U4 U6800.14
GMAC1_RSTN_GPIO1_B1: R6839.1 U1000.E20
GMAC1_RXCLK_M1: C6822.1 R6844.2 U1000.Y3
GMAC1_RXD0_M1: R6840.2 U1000.W1
GMAC1_RXD1_M1: R6841.2 U1000.V7
GMAC1_RXD2_M1: R6842.2 U1000.AA2
GMAC1_RXD3_M1: R6843.2 U1000.Y4
GMAC1_RXDV_CRS_M1: R6845.2 U1000.V2
GMAC1_TXCLK_M1: R1645.2 U6800.20
GMAC1_TXD0_M1: R1650.2 U6800.18
GMAC1_TXD1_M1: R1652.2 U6800.17
GMAC1_TXD2_M1: R1641.2 U6800.16
GMAC1_TXD3_M1: R1643.2 U6800.15
GMAC1_TXEN_M1: R1654.2 U6800.19
GPIO2_A6: R1508.1 U1000.C27
GPIO2_A7: R1509.1 U1000.C28
GPIO2_B0: R1510.1 U1000.D27
GPIO2_B3: R1511.1 U1000.F28
GPIO2_B4: R1512.1 U1000.G27
GPIO2_B5: R1513.1 U1000.G28
GPIO2_C1: R1515.1 U1000.G23
GPIO2_C2: R1516.1 U1000.F25
GPIO3_D6_D: R1641.1 U1000.Y6
GPIO3_D7_D: R1643.1 U1000.Y5
GPIO4_A0_D: R1645.1 U1000.AA3
GPIO4_A4_D: R1650.1 U1000.Y2
GPIO4_A5_D: R1652.1 U1000.Y1
GPIO4_A6_D: R1654.1 U1000.W2
GPIO4_B3_D: R1660.1 U1000.V1
GPIO4_C1_D: R1667.1 U1000.U2
HDD_LED+: J9001.7 LED9002.1 R9005.2
HDD_LED-: J9001.8 LED9002.2(CATHODE) Q9002.3
HDD_LED_EN_H_GPIO4_C5: R9008.1 U1000.AD8
HDMI14_TX0N: R5106.1 U5100.A5
HDMI14_TX0N_PORT: J5100.9 R5106.2 U5104.2 U5104.9(NC_9)
HDMI14_TX0P: R5104.1 U5100.B5
HDMI14_TX0P_PORT: J5100.7 R5104.2 U5104.1 U5104.10
HDMI14_TX1N: R5103.1 U5100.A4
HDMI14_TX1N_PORT: J5100.6 R5103.2 U5102.5 U5102.6
HDMI14_TX1P: R5102.1 U5100.B4
HDMI14_TX1P_PORT: J5100.4 R5102.2 U5102.4 U5102.7
HDMI14_TX2N: R5101.1 U5100.A3
HDMI14_TX2N_PORT: J5100.3 R5101.2 U5102.2 U5102.9(NC_9)
HDMI14_TX2P: R5100.1 U5100.B3
HDMI14_TX2P_PORT: J5100.1 R5100.2 U5102.1 U5102.10
HDMI14_TX_CEC: R5113.1 U5100.E7
HDMI14_TX_CEC_PORT: ED5103.1 J5100.13 R5109.2 R5113.2
HDMI14_TX_HPD_PORT: ED5100.1 J5100.19 R5116.2 R5118.1
HDMI14_TX_HPDIN: R5116.1 U5100.E6
HDMI14_TXCLKN: R5110.1 U5100.A6
HDMI14_TXCLKN_PORT: J5100.12 R5110.2 U5104.5 U5104.6
HDMI14_TXCLKP: R5108.1 U5100.B6
HDMI14_TXCLKP_PORT: J5100.10 R5108.2 U5104.4 U5104.7
HDMI14_TXDDC_SCL: R5122.1 U5100.E5
HDMI14_TXDDC_SCL_PORT: ED5102.1 J5100.15 R5120.2 R5122.2
HDMI14_TXDDC_SDA: R5123.1 U5100.D4
HDMI14_TXDDC_SDA_PORT: ED5101.1 J5100.16 R5121.2 R5123.2
HDMI_TX0N: R1707.1 U1000.AH20
HDMI_TX0N_PORT: J5000.9 R1707.2 U5001.2 U5001.9(NC_9)
HDMI_TX0P: R1709.1 U1000.AG20
HDMI_TX0P_PORT: J5000.7 R1709.2 U5001.1 U5001.10
HDMI_TX1N: R1706.1 U1000.AH21
HDMI_TX1N_PORT: J5000.6 R1706.2 U5000.5 U5000.6
HDMI_TX1P: R1705.1 U1000.AG21
HDMI_TX1P_PORT: J5000.4 R1705.2 U5000.4 U5000.7
HDMI_TX2N: R1704.1 U1000.AH22
HDMI_TX2N_PORT: J5000.3 R1704.2 U5000.2 U5000.9(NC_9)
HDMI_TX2P: R1708.1 U1000.AG22
HDMI_TX2P_PORT: J5000.1 R1708.2 U5000.1 U5000.10
HDMI_TX_CEC_PORT: ED5003.1 J5000.13 Q5002.3
HDMI_TX_HPD_PORT: ED5000.1 J5000.19 R5005.2 R5008.1
HDMI_TX_HPDIN: C1716.1 R5005.1 U1000.AB18
HDMI_TX_REXT: R1713.1 U1000.AA18
HDMI_TXCLKN: R1711.1 U1000.AG19
HDMI_TXCLKN_PORT: J5000.12 R1711.2 U5001.5 U5001.6
HDMI_TXCLKP: R1710.1 U1000.AH19
HDMI_TXCLKP_PORT: J5000.10 R1710.2 U5001.4 U5001.7
HDMI_TXDDC_SCL_PORT: ED5002.1 J5000.15 Q5000.3 R5001.2
HDMI_TXDDC_SDA_PORT: ED5001.1 J5000.16 Q5001.3 R5003.2
HDMITX_CEC_M0: Q5002.2(SOURCE) R5006.2 U1000.AH6
HDMITX_SCL: Q5000.2(SOURCE) R5000.2 U1000.AG8
HDMITX_SDA: Q5001.2(SOURCE) R5002.2 U1000.AG7
HPD_OUT_RTD: R5906.2 U5900.32
I2C0_SCL_PMIC: R1207.2 U1000.AF24 U2104.A3
I2C0_SDA_PMIC: R1208.2 U1000.AB21 U2104.B1
I2C1_SCL: R1209.2 R2205.2 R5219.1 R5904.1 U1000.AG24
I2C1_SDA: R1210.2 R2206.2 R5220.2 R5903.1 U1000.AB20
I2C3_SCL_M0: R1906.2 U1000.E18 U5100.D1 U7000.1
I2C3_SDA_M0: R1905.2 U1000.D18 U5100.E2 U7000.19
I2C_SCL_RTCIC: R2205.1 U2200.6
I2C_SCL_TP0: J5200.23 R5219.2
I2C_SDA_RTCIC: R2206.1 U2200.5
I2C_SDA_TP0: J5200.24 R5220.1
I2S1_LRCK_TX_M0: R1904.2 R5112.2 R5114.2 U7000.8
I2S1_MCLK_M0: R1901.2 R5107.2 U7000.2
I2S1_SCLK_TX_M0: R1902.2 R5115.2 U7000.6
I2S1_SDI0_M0: R5117.2 U1000.B21 U7000.7
I2S1_SDO0_M0: R5111.2 U1000.B20 U7000.9
I2S3_MCLK_M1: R1502.2 R5105.2
LAN0_A+: J6700.A1 U6701.23
LAN0_A-: J6700.A2 U6701.22
LAN0_B+: J6700.A3 U6701.20
LAN0_B-: J6700.A6 U6701.19
LAN0_C+: J6700.A4 U6701.17
LAN0_C-: J6700.A5 U6701.16
LAN0_D+: J6700.A7 U6701.14
LAN0_D-: J6700.A8 U6701.13
LAN0_MCT1: D6701.1 D6705.1 R6749.1 U6701.24
LAN0_MCT2: D6702.1 D6706.1 R6748.1 U6701.21
LAN0_MCT3: D6703.1 D6707.1 R6747.1 U6701.18
LAN0_MCT4: D6704.1 D6708.1 R6746.1 U6701.15
LAN1_A+: J6700.B1 U6801.13
LAN1_A-: J6700.B2 U6801.14
LAN1_B+: J6700.B3 U6801.16
LAN1_B-: J6700.B6 U6801.17
LAN1_C+: J6700.B4 U6801.19
LAN1_C-: J6700.B5 U6801.20
LAN1_D+: J6700.B7 U6801.22
LAN1_D-: J6700.B8 U6801.23
LAN1_MCT1: D6801.1 D6805.1 R6849.1 U6801.24
LAN1_MCT2: D6802.1 D6806.1 R6848.1 U6801.21
LAN1_MCT3: D6803.1 D6807.1 R6847.1 U6801.18
LAN1_MCT4: D6804.1 D6808.1 R6846.1 U6801.15
LCD0_BL_PWM14_M0: J5200.17 U1000.AC3
LCD0_PWREN_H_GPIO0_C7: J5200.22 R5203.1 U1000.AH25
LCDC_CLK: R1813.2 U5100.M5
LCDC_CLK_SOC: R1813.1 U1000.AH4
LCDC_D0: U1000.AG6 U5100.M4
LCDC_D1: U1000.AD7 U5100.M3
LCDC_D2: U1000.AC8 U5100.L3
LCDC_D3: U1000.AC7 U5100.M2
LCDC_D4: U1000.AF5 U5100.M1
LCDC_D5: U1000.AF6 U5100.L2
LCDC_D6: U1000.AD6 U5100.L1
LCDC_D7: U1000.AH5 U5100.K4
LCDC_D8: U1000.AB8 U5100.K3
LCDC_D9: U1000.AE5 U5100.K2
LCDC_D10: U1000.AG4 U5100.K1
LCDC_D11: U1000.AF4 U5100.J4
LCDC_D12: U1000.AH3 U5100.J3
LCDC_D13: U1000.AG3 U5100.J2
LCDC_D14: U1000.AH2 U5100.J1
LCDC_D15: U1000.AG2 U5100.H4
LCDC_D16: U1000.AG1 U5100.H3
LCDC_D17: U1000.AF2 U5100.H2
LCDC_D18: U1000.AF1 U5100.H1
LCDC_D19: U1000.AE1 U5100.G4
LCDC_D20: U1000.AE2 U5100.G3
LCDC_D21: U1000.AE3 U5100.G2
LCDC_D22: U1000.AD4 U5100.G1
LCDC_D23: U1000.AD2 U5100.F1
LCDC_DEN: U1000.AC4 U5100.L4
LCDC_HSYNC: U1000.AD1 U5100.L5
LCDC_VSYNC: U1000.AA7 U5100.K5
LINE_IN: D7000.1 J7001.2 R7000.2
LINE_OUT: C5127.2 C7005.2 D7001.1 J7001.3 R7006.1
LINEIN: C5125.2 C7000.2 R7000.1 R7001.1
MIPI_DSI_TX0_CLKN: J5200.8 R5209.1
MIPI_DSI_TX0_CLKN/LVDS_TX0_CLKN: R5209.2 U1000.AG15
MIPI_DSI_TX0_CLKP: J5200.9 R5210.2
MIPI_DSI_TX0_CLKP/LVDS_TX0_CLKP: R5210.1 U1000.AH15
MIPI_DSI_TX0_D0N: J5200.2 R5205.1
MIPI_DSI_TX0_D0N/LVDS_TX0_D0N: R5205.2 U1000.AG17
MIPI_DSI_TX0_D0P: J5200.3 R5206.2
MIPI_DSI_TX0_D0P/LVDS_TX0_D0P: R5206.1 U1000.AH17
MIPI_DSI_TX0_D1N: J5200.5 R5207.2
MIPI_DSI_TX0_D1N/LVDS_TX0_D1N: R5207.1 U1000.AG16
MIPI_DSI_TX0_D1P: J5200.6 R5208.1
MIPI_DSI_TX0_D1P/LVDS_TX0_D1P: R5208.2 U1000.AH16
MIPI_DSI_TX0_D2N: J5200.11 R5211.2
MIPI_DSI_TX0_D2N/LVDS_TX0_D2N: R5211.1 U1000.AG14
MIPI_DSI_TX0_D2P: J5200.12 R5212.1
MIPI_DSI_TX0_D2P/LVDS_TX0_D2P: R5212.2 U1000.AH14
MIPI_DSI_TX0_D3N: J5200.14 R5213.1
MIPI_DSI_TX0_D3N/LVDS_TX0_D3N: R5213.2 U1000.AG13
MIPI_DSI_TX0_D3P: J5200.15 R5214.2
MIPI_DSI_TX0_D3P/LVDS_TX0_D3P: R5214.1 U1000.AH13
PCIE30_AVDD0V9: C2204.1 C2205.1 R1408.2 R2203.1 U2201.5(OUT)
PCIE30_AVDD_0V9: C1412.1 C1413.1 R1407.1 R1408.1 U1000.U20 U1000.U21
PCIE30_AVDD_1V8: C1411.1 C1414.1 R1410.1 U1000.U22
PCIE30_REFCLKN_IN: R8526.2 R8528.1 U1000.AA25
PCIE30_REFCLKP_IN: R8525.2 R8529.1 U1000.Y25
PCIE30_RESREF: R1406.1 U1000.U19
PCIE30_RX0N: J8500.23 U1000.AC27
PCIE30_RX0P: J8500.25 U1000.AC28
PCIE30_RX1N: J8501.23 U1000.AD27
PCIE30_RX1P: J8501.25 U1000.AD28
PCIE30_TX0_N: C8500.2 J8500.31
PCIE30_TX0_P: C8501.2 J8500.33
PCIE30_TX0N: C8500.1 U1000.AA27
PCIE30_TX0P: C8501.1 U1000.AA28
PCIE30_TX1_N: C8507.2 J8501.31
PCIE30_TX1_P: C8508.2 J8501.33
PCIE30_TX1N: C8507.1 U1000.AB27
PCIE30_TX1P: C8508.1 U1000.AB28(PCIE30_TX1P)
PCIE30X1_CLKREQN_3V3_L: J8501.7 R8504.2
PCIE30X1_CLKREQN_M0: R8504.1 U1000.Y22
PCIE30X1_PERSTN_3V3_L: J8501.22 R8505.2
PCIE30X1_PERSTN_M0: R8505.1 U1000.AE23
PCIE30X1_WAKEN_3V3_L: J8501.1 R8503.2
PCIE30X1_WAKEN_M0: R8503.1 U1000.AG23
PCIE30X2_CLKREQN_3V3_L: J8500.7 R8500.2
PCIE30X2_CLKREQN_M0: R8500.1 U1000.AE24
PCIE30X2_PERSTN_3V3_L: J8500.22 R8502.2
PCIE30X2_PERSTN_M0: R8502.1 U1000.AD20
PCIE30X2_WAKEN_3V3_L: J8500.1 R8501.2
PCIE30X2_WAKEN_M0: R8501.1 U1000.AC21
PCIE_PWREN_H_GPIO0_D4: R8514.1 R8531.1 R9605.1 U1000.AB23
PHY0_CLKOUT125: R6710.2 U6700.35
PHY0_LED0/CFG_EXT: R6717.1 R6718.2 U6700.32
PHY0_LED1/CFG_LDO0: C6706.1 R6721.1 U6700.33
PHY0_LED2/CFG_LDO1: C6705.1 R6719.1 R6720.2 U6700.34